# KiCad board SparkFun_RTK_Facet_mosaic_panelized.kicad_pcb (continued)
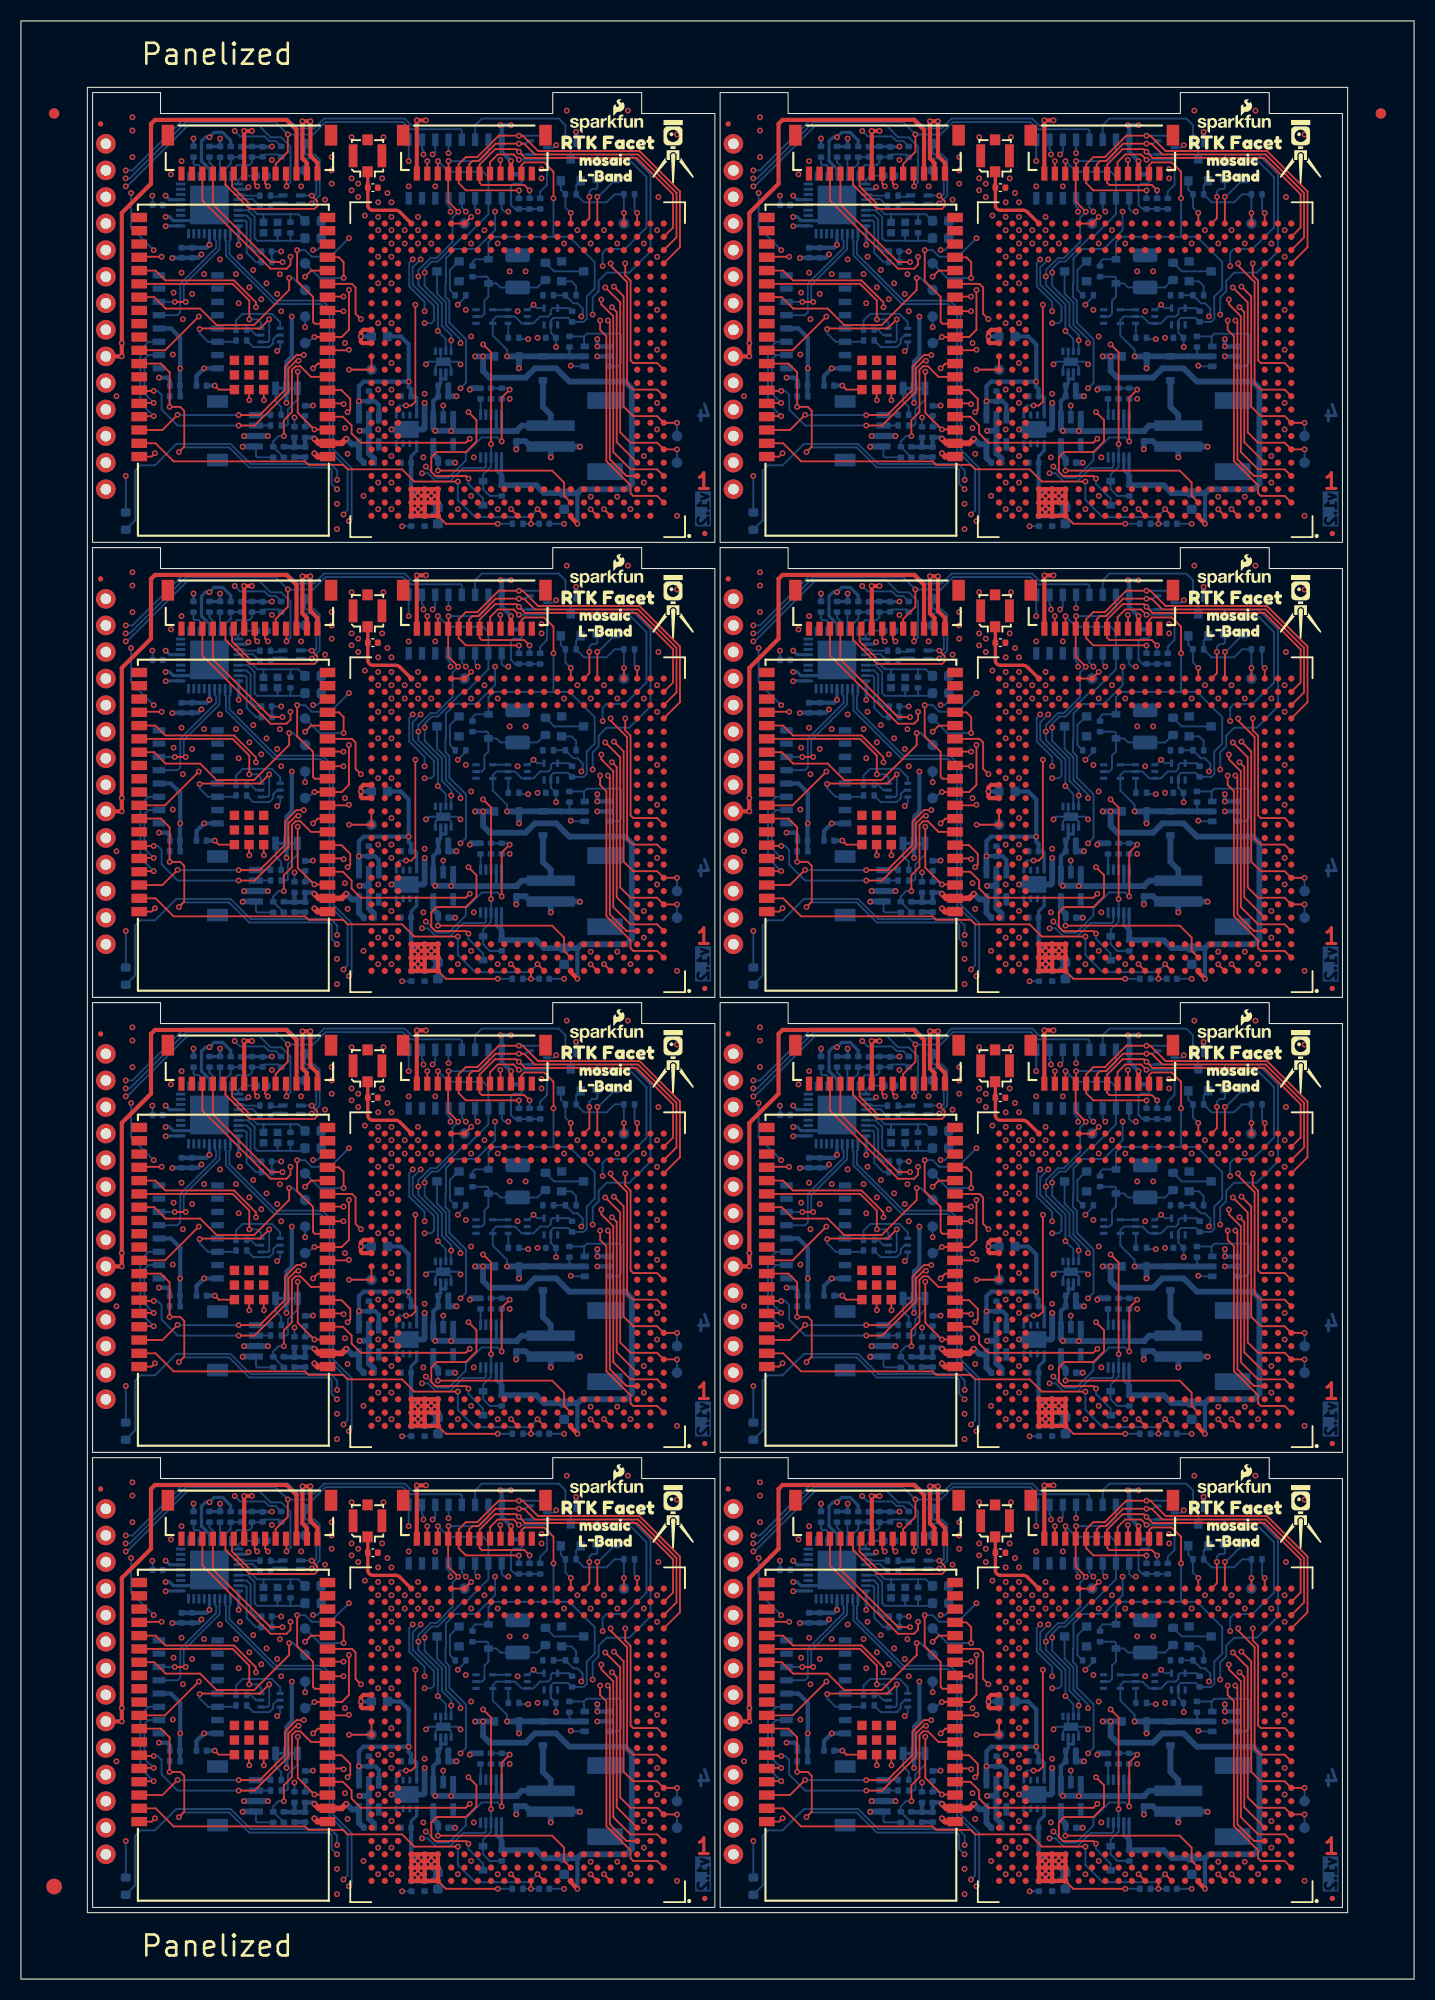
[diagram p0: board, top side]
## Routing (per net, layer and track width the routed paths; a pad name or vN(x,y) marks a point on that pad's centre or on a via; arc(x,y) is an arc through that point) (continued)
Net-(U9-SCL/CFG0): length 16.2
  Bottom w0.178: R15#8.1 78.03,86.67 78.53,86.17 U9#5.24 ; R15#7.1 18.03,173.67 18.53,173.17 U9.24 ; U9#4.24 18.53,129.67 18.03,130.17 R15#2.1 ; U9#7.24 18.53,42.67 18.03,43.17 R15#3.1 ; U9#6.24 78.53,129.67 78.03,130.17 R15#4.1 ; R15#5.1 78.03,43.17 78.53,42.67 U9#2.24 ; U9#3.24 18.53,86.17 18.03,86.67 R15#6.1 ; R15.1 78.03,173.67 78.53,173.17 U9#8.24
Net-(U9-SDA): length 19.7
  Bottom w0.178: R14.1 16.5,43.05 16.63,42.92 17.01,42.92 17.53,42.4 U9#7.22 ; U9.22 17.53,172.9 17.01,173.42 16.63,173.42 16.5,173.54 R14#2.1 ; R14#7.1 16.5,130.05 16.63,129.92 17.01,129.92 17.53,129.4 U9#4.22 ; U9#5.22 77.53,85.9 77.01,86.42 76.63,86.42 76.5,86.55 R14#6.1 ; R14#5.1 76.5,173.54 76.63,173.42 77.01,173.42 77.53,172.9 U9#8.22 ; U9#2.22 77.53,42.4 77.01,42.92 76.63,42.92 76.5,43.05 R14#8.1 ; R14#3.1 76.5,130.05 76.63,129.92 77.01,129.92 77.53,129.4 U9#6.22 ; R14#4.1 16.5,86.55 16.63,86.42 17.01,86.42 17.53,85.9 U9#3.22
Net-(U9-SUSP_IND): length 18.9
  Bottom w0.178: U9#2.28 80.78,41.48 81.2,41.9 R23#5.1 ; R23#2.1 81.2,128.9 80.78,128.48 U9#6.28 ; U9#3.28 20.78,84.98 21.2,85.4 R23#4.1 ; U9.28 20.78,171.98 21.2,172.4 R23#8.1 ; R23.1 21.2,128.9 20.78,128.48 U9#4.28 ; U9#8.28 80.78,171.98 81.2,172.4 R23#6.1 ; U9#7.28 20.78,41.48 21.2,41.9 R23#3.1 ; R23#7.1 81.2,85.4 80.78,84.98 U9#5.28
Net-(U9-USBDM_UP): length 17
  Bottom w0.178: U9#6.30 81.29,127.11 81.4,127 R26#8.1 ; U9#7.30 21.29,40.11 21.4,40 R26#3.1 ; R26#4.1 21.4,127 21.29,127.11 U9#4.30 ; U9#5.30 81.29,83.61 81.4,83.5 R26#7.1 ; U9#3.30 21.29,83.61 21.4,83.5 R26#6.1 ; U9.30 21.29,170.61 21.4,170.5 R26.1 ; R26#2.1 81.4,40 81.29,40.11 U9#2.30 ; R26#5.1 81.4,170.5 81.29,170.61 U9#8.30
Net-(U9-USBDP_UP): length 19.1
  Bottom w0.178: R27#6.1 22.16,170.17 20.83,170.17 U9.31 ; R27#7.1 82.16,170.17 80.83,170.17 U9#8.31 ; U9#7.31 20.83,39.67 22.16,39.67 R27#4.1 ; R27#3.1 82.16,39.67 80.83,39.67 U9#2.31 ; R27#8.1 22.16,126.67 20.83,126.67 U9#4.31 ; U9#6.31 80.83,126.67 82.16,126.67 R27#2.1 ; R27.1 22.16,83.17 20.83,83.17 U9#3.31 ; R27#5.1 82.16,83.17 80.83,83.17 U9#5.31
Net-(U9-XTALIN/CLKIN): length 83.5
  Bottom w0.178: 87.16,79.43 86.9,79.18 85.77,79.18 ; 24.5,35.68 25.77,35.68 ; 24.5,35.68 24.54,35.72 Y1#7.2 ; 24.5,35.68 22.6,35.68 22.34,35.93 22.34,37.97 21.7,38.61 U9#7.33 ; 25.77,35.68 R25#6.2 ; 25.77,35.68 26.9,35.68 C14#8.1 ; 24.5,79.18 25.77,79.18 ; 24.5,79.18 24.54,79.22 Y1.2 ; 24.5,79.18 22.6,79.18 22.34,79.43 22.34,81.47 21.7,82.11 U9#3.33 ; 25.77,79.18 26.9,79.18 C14#6.1 ; 25.77,79.18 R25#2.2 ; U9#5.33 81.7,82.11 82.34,81.47 82.34,79.43 82.6,79.18 84.5,79.18 ; 84.5,35.68 82.6,35.68 82.34,35.93 82.34,37.97 81.7,38.61 U9#2.33 ; 84.5,35.68 84.54,35.72 Y1#5.2 ; 84.5,35.68 85.77,35.68 ; 24.5,166.18 25.77,166.18 ; 24.5,166.18 24.54,166.22 Y1#2.2 ; 24.5,166.18 22.6,166.18 22.34,166.43 22.34,168.47 21.7,169.11 U9.33 ; 25.77,166.18 26.9,166.18 C14#3.1 ; 25.77,166.18 R25.2 ; Y1#3.2 24.54,122.72 24.5,122.68 ; 84.5,79.18 84.54,79.22 Y1#6.2 ; 84.5,79.18 85.77,79.18 ; 85.77,122.68 86.9,122.68 87.16,122.93 ; 85.77,122.68 R25#4.2 ; 85.77,122.68 84.5,122.68 ; 85.77,35.68 86.9,35.68 87.16,35.93 ; 85.77,35.68 R25#5.2 ; 25.77,122.68 26.9,122.68 C14#2.1 ; 25.77,122.68 R25#7.2 ; 25.77,122.68 24.5,122.68 ; 85.77,79.18 R25#3.2 ; 84.5,166.18 84.54,166.22 Y1#4.2 ; 84.5,166.18 85.77,166.18 ; 84.5,166.18 82.6,166.18 82.34,166.43 82.34,168.47 81.7,169.11 U9#8.33 ; 85.77,166.18 86.9,166.18 87.16,166.43 ; 85.77,166.18 R25#8.2 ; 84.5,122.68 84.54,122.72 Y1#8.2 ; 84.5,122.68 82.6,122.68 82.34,122.93 82.34,124.97 81.7,125.61 U9#6.33 ; 24.5,122.68 22.6,122.68 22.34,122.93 22.34,124.97 21.7,125.61 U9#4.33
Net-(U9-XTALOUT): length 70.4
  Bottom w0.178: 85.77,81.72 86.52,81.72 87.16,81.08 87.16,80.84 ; 85.77,81.72 83.23,81.72 ; 85.77,81.72 R25#3.1 ; 23.23,81.72 23.19,81.68 Y1.1 ; 23.23,81.72 25.77,81.72 ; 23.23,81.72 22.6,81.72 21.71,82.61 U9#3.32 ; 23.23,168.72 23.19,168.68 Y1#2.1 ; 23.23,168.72 22.6,168.72 21.71,169.61 U9.32 ; 23.23,168.72 25.77,168.72 ; 83.23,168.72 83.19,168.68 83.19,167.95 ; 83.23,168.72 82.6,168.72 81.71,169.61 U9#8.32 ; 83.23,168.72 85.77,168.72 ; U9#2.32 81.71,39.11 82.6,38.22 83.23,38.22 ; 83.23,125.22 83.19,125.18 83.19,124.45 ; 83.23,125.22 82.6,125.22 81.71,126.11 U9#6.32 ; 83.23,125.22 85.77,125.22 ; 23.23,125.22 25.77,125.22 ; 23.23,125.22 22.6,125.22 21.71,126.11 U9#4.32 ; 23.23,125.22 23.19,125.18 Y1#3.1 ; 25.77,125.22 26.52,125.22 C15#5.1 27.16,124.34 ; 25.77,125.22 R25#7.1 ; 83.23,38.22 83.19,38.18 83.19,37.45 ; 83.23,38.22 85.77,38.22 ; Y1#7.1 23.19,38.18 23.23,38.22 ; R25#2.1 25.77,81.72 ; 25.77,81.72 26.52,81.72 C15.1 27.16,80.84 ; 87.16,167.84 87.16,168.08 86.52,168.72 85.77,168.72 ; 23.23,38.22 22.6,38.22 21.71,39.11 U9#7.32 ; 23.23,38.22 25.77,38.22 ; R25.1 25.77,168.72 ; 25.77,168.72 26.52,168.72 C15#2.1 27.16,167.84 ; 87.16,124.34 87.16,124.58 86.52,125.22 85.77,125.22 ; 83.23,81.72 82.6,81.72 81.71,82.61 U9#5.32 ; 83.23,81.72 83.19,81.68 83.19,80.95 ; 85.77,168.72 R25#8.1 ; R25#5.1 85.77,38.22 ; 85.77,38.22 86.52,38.22 87.16,37.58 87.16,37.34 ; 25.77,38.22 26.52,38.22 C15#3.1 27.16,37.34 ; 25.77,38.22 R25#6.1 ; 85.77,125.22 R25#4.1
Net-(U9-~{RESET}): length 24.6
  Bottom w0.178: U9#3.26 19.53,86.01 20.06,86.55 R21#6.2 21.04,87.18 C11#4.1 ; U9#5.26 79.53,86.01 80.06,86.55 R21#3.2 81.04,87.18 C11#8.1 ; U9#4.26 19.53,129.51 20.06,130.05 R21#8.2 21.04,130.68 C11#2.1 ; C11#3.1 21.04,43.68 R21#7.2 20.06,43.05 19.53,42.51 U9#7.26 ; C11#5.1 81.04,43.68 R21#2.2 80.06,43.05 79.53,42.51 U9#2.26 ; C11#7.1 81.04,174.18 R21#4.2 80.06,173.54 79.53,173.01 U9#8.26 ; C11#6.1 21.04,174.18 R21#5.2 20.06,173.54 19.53,173.01 U9.26 ; U9#6.26 79.53,129.51 80.06,130.05 R21.2 81.04,130.68 C11.1
Net-(U10-PROG): length 12.1
  Bottom w0.178: R32#4.1 43.95,20.55 U10#3.6 ; U10#4.6 43.95,107.55 R32#3.1 ; R32#8.1 103.95,107.55 U10#8.6 ; U10.6 43.95,64.05 R32.1 ; R32#7.1 103.95,151.05 U10#2.6 ; U10#6.6 103.95,64.05 R32#6.1 ; U10#5.6 103.95,20.55 R32#5.1 ; R32#2.1 43.95,151.05 U10#7.6
Net-(U10-THERM): length 12
  Bottom w0.178: U10#2.8 R31#7.1 ; U10.8 R31#2.1 ; U10#3.8 R31#8.1 ; U10#6.8 R31#6.1 ; U10#4.8 R31.1 ; U10#8.8 R31#3.1 ; U10#7.8 R31#4.1 ; U10#5.8 R31#5.1
Net-(U14-CLK): length 84.6
  In2.Cu w0.178: v1(49.01,116.57) 48.82,116.76 41.97,116.76 v1(41.78,116.57) ; v1(41.78,29.57) 41.97,29.76 48.82,29.76 v1(49.01,29.57) ; v1(41.78,73.07) 41.97,73.26 48.82,73.26 v1(49.01,73.07) ; v1(49.01,160.07) 48.82,160.26 41.97,160.26 v1(41.78,160.07) ; v1(101.78,29.57) 101.97,29.76 108.82,29.76 v1(109.01,29.57) ; v1(109.01,160.07) 108.82,160.26 101.97,160.26 v1(101.78,160.07) ; v1(101.78,73.07) 101.97,73.26 108.82,73.26 v1(109.01,73.07) ; v1(109.01,116.57) 108.82,116.76 101.97,116.76 v1(101.78,116.57)
  Bottom w0.178: R36#2.1 42.54,117.35 41.78,116.58 v1(41.78,116.57) ; v1(101.78,29.57) 101.78,29.58 102.54,30.35 R36#4.1 ; U6#2.4 49.34,159.74 v1(49.01,160.07) 49.01,160.08 48.52,159.59 U14#7.1 ; R36#6.1 42.54,160.85 41.78,160.08 v1(41.78,160.07) ; U6.4 109.34,159.74 v1(109.01,160.07) 109.01,160.08 108.52,159.59 U14#4.1 ; U14#8.1 108.52,116.09 109.01,116.58 v1(109.01,116.57) 109.34,116.24 U6#8.4 ; U14#6.1 48.52,72.59 49.01,73.08 v1(49.01,73.07) 49.34,72.74 U6#5.4 ; U6#7.4 109.34,29.24 v1(109.01,29.57) 109.01,29.58 108.52,29.09 U14#3.1 ; U14#2.1 108.52,72.59 109.01,73.08 v1(109.01,73.07) 109.34,72.74 U6#3.4 ; v1(41.78,73.07) 41.78,73.08 42.54,73.85 R36.1 ; R36#3.1 102.54,73.85 101.78,73.08 v1(101.78,73.07) ; R36#8.1 42.54,30.35 41.78,29.58 v1(41.78,29.57) ; U6#6.4 49.34,116.24 v1(49.01,116.57) 49.01,116.58 48.52,116.09 U14.1 ; U14#5.1 48.52,29.09 49.01,29.58 v1(49.01,29.57) 49.34,29.24 U6#4.4 ; R36#5.1 102.54,160.85 101.78,160.08 v1(101.78,160.07) ; R36#7.1 102.54,117.35 101.78,116.58 v1(101.78,116.57)
Net-(U14-~{CLR}): length 11.6
  Bottom w0.178: U8#8.4 U14#5.6 ; U8#5.4 U14#2.6 ; U8#7.4 U14#4.6 ; U8#4.4 U14#3.6 ; U8.4 U14#8.6 ; U8#3.4 U14.6 ; U8#2.4 U14#6.6 ; U8#6.4 U14#7.6

## Copper pours and planes (outline as drawn; the poured copper is in the pictures)
GND on Top, Bottom, In1.Cu, In2.Cu: 64.13,64.07 64.13,50.6 11.17,50.6 11.17,55.43 7.1,55.43 7.1,93.15 13.07,93.15 13.07,91.12 51.05,91.12 51.05,93.15 59.17,93.15 59.17,91.12 66.16,91.12 66.1,64.07
GND on Top, Bottom, In1.Cu, In2.Cu: 64.13,107.57 64.13,94.1 11.17,94.1 11.17,98.93 7.1,98.93 7.1,136.65 13.07,136.65 13.07,134.62 51.05,134.62 51.05,136.65 59.17,136.65 59.17,134.62 66.16,134.62 66.1,107.57
GND on Top, Bottom, In1.Cu, In2.Cu: 64.13,151.07 64.13,137.6 11.17,137.6 11.17,142.43 7.1,142.43 7.1,180.15 13.07,180.15 13.07,178.12 51.05,178.12 51.05,180.15 59.17,180.15 59.17,178.12 66.16,178.12 66.1,151.07
GND on Top, Bottom, In1.Cu, In2.Cu: 124.13,107.57 124.13,94.1 71.17,94.1 71.17,98.93 67.1,98.93 67.1,136.65 73.07,136.65 73.07,134.62 111.05,134.62 111.05,136.65 119.17,136.65 119.17,134.62 126.16,134.62 126.1,107.57
GND on Top, Bottom, In1.Cu, In2.Cu: 124.13,20.57 124.13,7.1 71.17,7.1 71.17,11.93 67.1,11.93 67.1,49.65 73.07,49.65 73.07,47.62 111.05,47.62 111.05,49.65 119.17,49.65 119.17,47.62 126.16,47.62 126.1,20.57
GND on Top, Bottom, In1.Cu, In2.Cu: 64.13,20.57 64.13,7.1 11.17,7.1 11.17,11.93 7.1,11.93 7.1,49.65 13.07,49.65 13.07,47.62 51.05,47.62 51.05,49.65 59.17,49.65 59.17,47.62 66.16,47.62 66.1,20.57
GND on Top, Bottom, In1.Cu, In2.Cu: 124.13,151.07 124.13,137.6 71.17,137.6 71.17,142.43 67.1,142.43 67.1,180.15 73.07,180.15 73.07,178.12 111.05,178.12 111.05,180.15 119.17,180.15 119.17,178.12 126.16,178.12 126.1,151.07
GND on Top, Bottom, In1.Cu, In2.Cu: 124.13,64.07 124.13,50.6 71.17,50.6 71.17,55.43 67.1,55.43 67.1,93.15 73.07,93.15 73.07,91.12 111.05,91.12 111.05,93.15 119.17,93.15 119.17,91.12 126.16,91.12 126.1,64.07

## Text on the board
Bottom: v1.2 | 4
User.Comments: Route Out | V-SCORE
Top: 1
F.Fab: Controlled Impedance: JLC7628 | Solder Mask: Red | Layers: 4 | Finish: ENIG | Thickness: 1.6mm | No Clean Process | Material: TG155 | Copper Weight: 1oz
F.Silkscreen: Panelized
In1.Cu: 2
In2.Cu: 3
User.1: N.Seidle and P.Clark
